# KiCad board ADHW.kicad_pcb (continued)
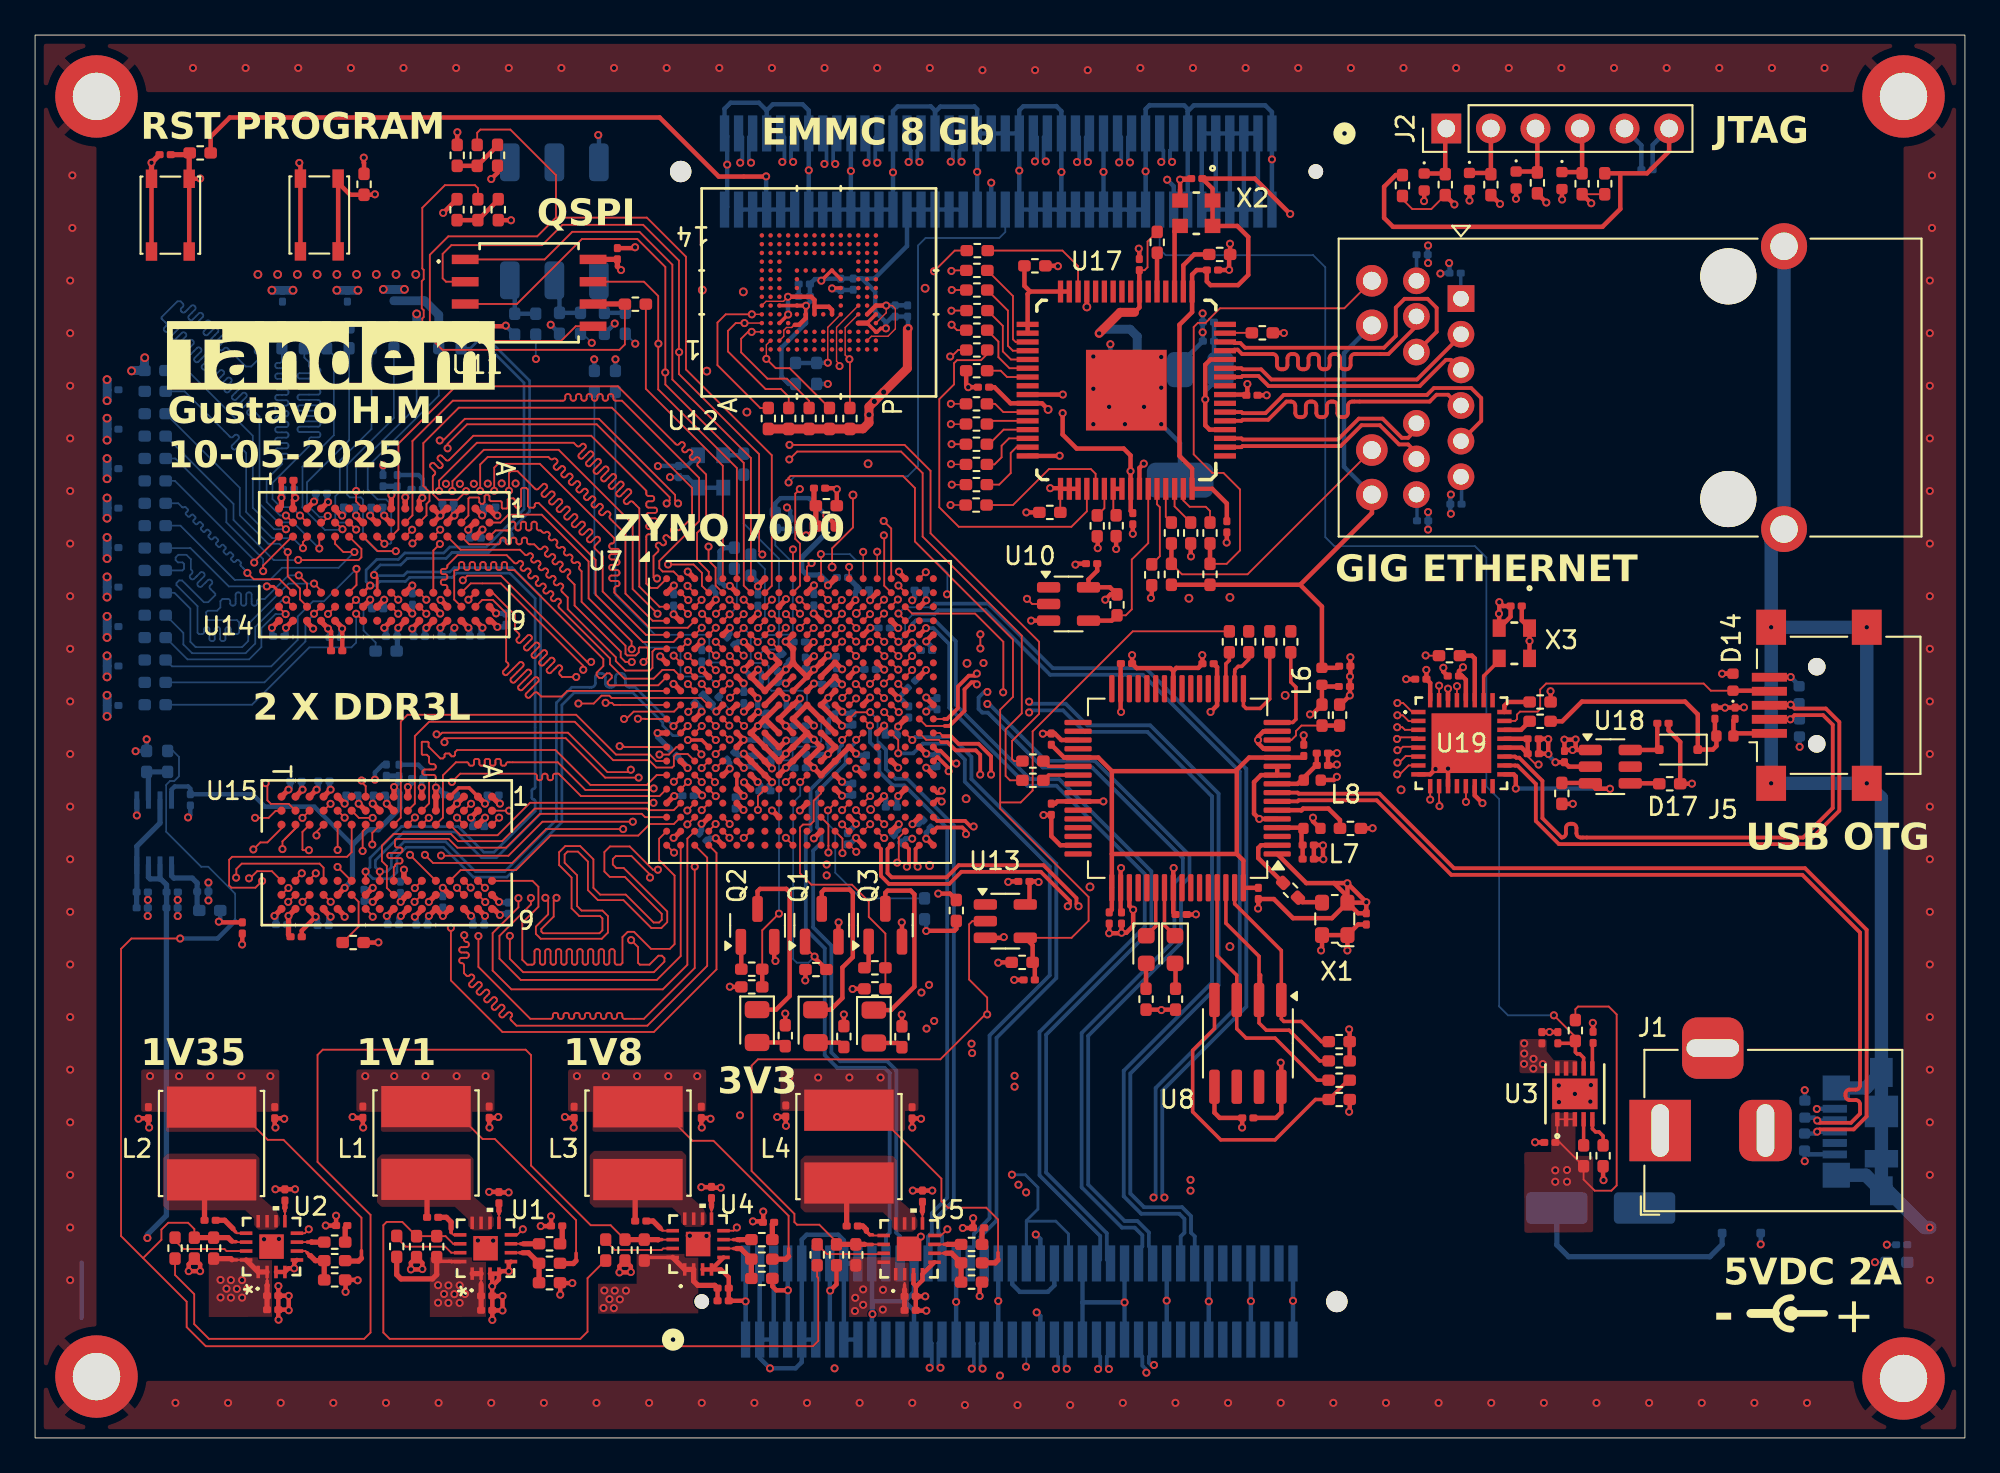
[diagram p0: board, top side]
## Routing (per net, layer and track width the routed paths; a pad name or vN(x,y) marks a point on that pad's centre or on a via; arc(x,y) is an arc through that point) (continued)
DDR_A8: length 103.7
  Top w0.1: v1(32.52,41.92) 32.88,41.92 33,41.8 33.35,41.8 ; U15.T8 14.44,31.36 v1(14.44,31.36)
  Top w0.102: 33.35,41.8 U7.K1 ; v1(14.28,46.98) 13.9,47.36 U14.T8
  In5.Cu w0.1: v1(32.52,41.92) 32.88,42.28 34.49,42.28 35.61,43.4 38.99,43.4 39.21,43.62 39.21,43.97 38.95,44.23 38.59,44.23 38.38,44.44 38.38,44.77 38.62,45.01 39.04,45.01 39.21,45.18 39.21,45.66 39.07,45.8 38.61,45.8 38.4,46.01 38.4,47.99 38.85,48.44 38.85,49.56 37.96,50.45 37.96,50.74 37.66,51.04 33.71,51.04 33.5,50.83 arc(33.42,50.8) 33.33,50.83 33.24,50.93 arc(33.15,50.96) 33.07,50.93 33.02,50.88 arc(32.99,50.8) 33.02,50.71 33.12,50.62 arc(33.15,50.53) 33.12,50.45 33.07,50.4 arc(32.99,50.37) 32.9,50.4 32.81,50.5 arc(32.72,50.53) 32.63,50.5 32.59,50.45 arc(32.56,50.37) 32.59,50.28 32.68,50.19 arc(32.72,50.1) 32.68,50.01 32.64,49.97 arc(32.56,49.94) 32.47,49.97 32.38,50.06 arc(32.29,50.1) 32.2,50.06 32.16,50.02 arc(32.12,49.93) 32.16,49.85 32.25,49.76 arc(32.29,49.67) 32.25,49.58 32.21,49.54 arc(32.12,49.5) 32.04,49.54 31.95,49.63 arc(31.86,49.67) 31.77,49.63 31.73,49.59 arc(31.69,49.5) 31.73,49.42 31.82,49.32 arc(31.86,49.24) 31.82,49.15 31.78,49.11 arc(31.69,49.07) 31.61,49.11 31.51,49.2 arc(31.43,49.24) 31.34,49.2 31.3,49.16 arc(31.26,49.07) 31.3,48.99 31.39,48.89 arc(31.43,48.81) 31.39,48.72 31.35,48.68 arc(31.26,48.64) 31.18,48.68 31.08,48.77 arc(31,48.81) 30.91,48.77 30.87,48.73 arc(30.83,48.64) 30.87,48.56 30.96,48.46 arc(31,48.38) 30.96,48.29 30.92,48.25 arc(30.83,48.21) 30.74,48.25 30.65,48.34 arc(30.57,48.38) 30.48,48.34 30.44,48.3 arc(30.4,48.21) 30.44,48.12 30.53,48.03 arc(30.56,47.95) 30.53,47.86 30.49,47.82 arc(30.4,47.78) 30.31,47.82 30.22,47.91 arc(30.13,47.94) 30.05,47.91 30.01,47.87 arc(29.97,47.78) 30.01,47.69 30.1,47.6 arc(30.13,47.51) 30.1,47.43 30.05,47.38 arc(29.97,47.35) 29.88,47.38 29.79,47.48 arc(29.7,47.51) 29.62,47.48 29.57,47.43 arc(29.54,47.35) 29.57,47.26 29.67,47.17 arc(29.7,47.08) 29.67,47 29.62,46.95 arc(29.54,46.92) 29.45,46.95 29.36,47.05 arc(29.27,47.08) 29.19,47.05 29.14,47 arc(29.11,46.92) 29.14,46.83 29.24,46.74 arc(29.27,46.65) 29.24,46.57 26.6,43.93 26.56,43.93 26.54,43.95 16.18,43.95 14.87,42.64 13.11,42.64 9.83,39.36 9.83,34.79 11.44,33.18 12.98,33.18 14.44,31.72 v1(14.44,31.36)
  In7.Cu w0.1: v1(14.44,31.36) 15.79,31.36 16.39,31.96 16.39,32.43 16.15,32.67 15.9,32.67 13.96,34.61 11.58,34.61 10.49,35.7 10.49,41.54 9.66,42.37 9.66,42.96 13.68,46.98 v1(14.28,46.98)
  Bottom w0.1: R114.2 8.68,44.4 12.2,44.4 12.9,45.1 12.9,46.18 13.7,46.98 v1(14.28,46.98)
DDR_A9: length 91.4
  Top w0.1: v1(38,43) 37.99,42.99 37.99,42.98 38.38,42.6 U7.J4
  Top w0.102: 14.85,34.77 14.1,34.02 v1(14.1,33.58) ; 14.85,34.77 U15.R3 ; 14.85,34.77 14.24,34.16 ; v1(13,49.43) 13,49.75 14.65,51.4 U14.R3
  In5.Cu w0.1: v1(14.1,33.58) 14.1,33.93 13.79,34.24 13.79,34.6 arc(13.75,34.68) 13.67,34.72 13.54,34.72 arc(13.45,34.75) 13.42,34.84 13.42,34.9 arc(13.45,34.99) 13.54,35.02 14.04,35.02 arc(14.13,35.06) 14.17,35.15 14.17,35.21 arc(14.13,35.29) 14.04,35.33 13.54,35.33 arc(13.45,35.36) 13.42,35.45 13.42,35.51 arc(13.45,35.6) 13.54,35.63 13.67,35.63 arc(13.75,35.67) 13.79,35.76 13.79,35.81 14.15,36.17 14.15,36.32 13.99,36.48 13.85,36.48 13.68,36.31 13.39,36.31 13.24,36.46 13.24,36.86 13.38,37 13.92,37 14.55,37.63 arc(14.57,37.69) 14.55,37.75 arc(14.52,37.81) 14.55,37.87 14.64,37.96 arc(14.7,37.99) 14.76,37.96 14.88,37.84 arc(14.94,37.82) 15,37.84 15.1,37.94 arc(15.12,38) 15.1,38.06 14.98,38.18 arc(14.95,38.24) 14.98,38.3 15.07,38.39 arc(15.13,38.42) 15.19,38.39 15.31,38.27 arc(15.37,38.25) 15.43,38.27 15.53,38.37 arc(15.55,38.43) 15.53,38.49 15.41,38.61 arc(15.38,38.67) 15.41,38.73 15.5,38.82 arc(15.56,38.85) 15.62,38.82 15.74,38.7 arc(15.8,38.68) 15.86,38.7 15.96,38.8 arc(15.98,38.86) 15.96,38.92 15.84,39.04 arc(15.81,39.1) 15.84,39.16 15.94,39.26 arc(16,39.28) 16.06,39.26 16.18,39.14 arc(16.24,39.11) 16.3,39.14 16.39,39.23 arc(16.42,39.29) 16.39,39.35 arc(16.37,39.41) 16.39,39.47 16.49,39.57 17.22,39.57 17.38,39.73 arc(17.45,39.76) 17.52,39.73 arc(17.59,39.71) 17.66,39.73 17.74,39.81 arc(17.77,39.88) 17.74,39.95 17.6,40.09 arc(17.57,40.16) 17.6,40.23 17.67,40.31 arc(17.74,40.34) 17.81,40.31 17.95,40.17 arc(18.02,40.14) 18.1,40.17 18.17,40.24 arc(18.2,40.31) 18.17,40.38 18.03,40.52 arc(18,40.59) 18.03,40.66 18.1,40.74 arc(18.17,40.77) 18.24,40.74 18.38,40.6 arc(18.46,40.57) 18.53,40.6 18.6,40.67 arc(18.63,40.74) 18.6,40.81 18.46,40.95 arc(18.43,41.02) 18.46,41.1 18.53,41.17 arc(18.6,41.2) 18.67,41.17 18.82,41.03 arc(18.89,41) 18.96,41.03 19.03,41.1 arc(19.06,41.17) 19.03,41.24 arc(19,41.31) 19.03,41.38 19.14,41.49 32.77,41.49 33.15,41.87 34.68,41.87 35.41,42.6 37.57,42.6 37.97,43 v1(38,43)
  In7.Cu w0.1: v1(14.1,33.58) 13.01,33.58 12.63,33.96 10.78,33.96 8.89,35.85 8.89,35.89 arc(8.85,35.98) 8.77,36.02 8.5,36.02 arc(8.42,36.05) 8.38,36.14 8.38,36.2 arc(8.42,36.29) 8.5,36.32 9.28,36.32 arc(9.36,36.36) 9.4,36.44 9.4,36.5 arc(9.36,36.59) 9.28,36.63 8.5,36.63 arc(8.42,36.66) 8.38,36.75 8.38,36.81 arc(8.42,36.89) 8.5,36.93 9.28,36.93 arc(9.36,36.97) 9.4,37.05 9.4,37.11 arc(9.36,37.2) 9.28,37.24 8.5,37.24 arc(8.42,37.27) 8.38,37.36 8.38,37.42 arc(8.42,37.5) 8.5,37.54 9.28,37.54 arc(9.36,37.58) 9.4,37.66 9.4,37.72 arc(9.36,37.81) 9.28,37.85 8.5,37.85 arc(8.42,37.88) 8.38,37.97 8.38,38.03 arc(8.42,38.11) 8.5,38.15 9.28,38.15 arc(9.36,38.19) 9.4,38.27 9.4,38.33 arc(9.36,38.42) 9.28,38.45 8.5,38.45 arc(8.42,38.49) 8.38,38.58 8.38,38.64 arc(8.42,38.72) 8.5,38.76 9.28,38.76 arc(9.36,38.8) 9.4,38.88 9.4,38.94 arc(9.36,39.03) 9.28,39.06 8.5,39.06 arc(8.42,39.1) 8.38,39.19 8.38,39.25 arc(8.42,39.33) 8.5,39.37 9.28,39.37 arc(9.36,39.4) 9.4,39.49 9.4,39.55 arc(9.36,39.64) 9.28,39.67 8.5,39.67 arc(8.42,39.71) 8.38,39.8 8.38,39.86 arc(8.42,39.94) 8.5,39.98 9.28,39.98 arc(9.36,40.01) 9.4,40.1 9.4,40.16 arc(9.36,40.25) 9.28,40.28 8.5,40.28 arc(8.42,40.32) 8.38,40.41 8.38,40.47 arc(8.42,40.55) 8.5,40.59 9.28,40.59 arc(9.36,40.62) 9.4,40.71 9.4,40.77 arc(9.36,40.86) 9.28,40.89 8.5,40.89 arc(8.42,40.93) 8.38,41.02 8.38,41.08 arc(8.42,41.16) 8.5,41.2 8.77,41.2 arc(8.85,41.23) 8.89,41.32 8.89,41.54 8.72,41.71 8.72,41.93 arc(8.68,42.01) 8.6,42.05 8.47,42.05 arc(8.38,42.08) 8.34,42.17 8.34,42.23 arc(8.38,42.32) 8.47,42.35 8.6,42.35 arc(8.68,42.39) 8.72,42.48 8.72,42.54 arc(8.68,42.62) 8.6,42.66 8.47,42.66 arc(8.38,42.69) 8.34,42.78 8.34,42.84 arc(8.38,42.93) 8.47,42.96 8.6,42.96 arc(8.68,43) 8.72,43.08 8.72,43.15 arc(8.68,43.23) 8.6,43.27 8.47,43.27 arc(8.38,43.3) 8.34,43.39 8.34,43.45 arc(8.38,43.54) 8.47,43.57 8.6,43.57 arc(8.68,43.61) 8.72,43.69 8.72,44.32 12.78,48.38 12.78,49 13,49.22 v1(13,49.43)
  Bottom w0.1: v1(13,49.43) 13,50.12 10.9,52.22 10.9,52.95 8,55.85 R115.2
DDR_A10: length 94.5
  Top w0.1: v1(38.8,45.4) U7.F5
  Top w0.102: v1(17.24,32.56) 18.03,31.77 U15.L7 ; U14.L7 17.9,48.22 18.32,48.64 v1(18.32,49.56)
  In5.Cu w0.1: v1(17.24,32.56) 16.34,31.66 14.94,31.66 13.11,33.49 13.11,33.71 11.32,35.5 11.32,36.52 arc(11.28,36.61) 11.2,36.64 11.07,36.64 arc(10.98,36.68) 10.94,36.77 10.94,36.83 arc(10.98,36.91) 11.07,36.95 11.57,36.95 arc(11.66,36.99) 11.69,37.07 11.69,37.13 arc(11.66,37.22) 11.57,37.25 11.07,37.25 arc(10.98,37.29) 10.94,37.38 10.94,37.44 arc(10.98,37.52) 11.07,37.56 11.57,37.56 arc(11.66,37.6) 11.69,37.68 11.69,37.74 arc(11.66,37.83) 11.57,37.86 11.07,37.86 arc(10.98,37.9) 10.94,37.99 10.94,38.05 arc(10.98,38.13) 11.07,38.17 11.57,38.17 arc(11.66,38.2) 11.69,38.29 11.69,38.35 arc(11.66,38.44) 11.57,38.47 11.44,38.47 arc(11.36,38.51) 11.32,38.6 11.32,38.95 11.52,39.15 arc(11.56,39.24) 11.52,39.33 11.43,39.42 arc(11.39,39.5) 11.43,39.59 11.47,39.63 arc(11.56,39.67) 11.65,39.63 12,39.28 arc(12.09,39.24) 12.18,39.28 12.22,39.32 arc(12.26,39.41) 12.22,39.49 11.86,39.85 arc(11.83,39.94) 11.86,40.02 11.9,40.07 arc(11.99,40.1) 12.08,40.07 12.43,39.71 arc(12.52,39.67) 12.61,39.71 12.65,39.75 arc(12.69,39.84) 12.65,39.92 12.29,40.28 arc(12.26,40.37) 12.29,40.45 12.34,40.5 arc(12.42,40.53) 12.51,40.5 12.87,40.14 arc(12.95,40.1) 13.04,40.14 13.08,40.18 arc(13.12,40.27) 13.08,40.35 12.72,40.71 arc(12.69,40.8) 12.72,40.88 12.77,40.93 arc(12.85,40.96) 12.94,40.93 13.3,40.57 arc(13.38,40.53) 13.47,40.57 13.51,40.61 arc(13.55,40.7) 13.51,40.79 13.42,40.88 arc(13.38,40.96) 13.42,41.05 14.07,41.7 15.36,41.7 16.79,43.13 28.26,43.13 35.38,50.25 36.72,50.25 36.81,50.16 36.81,46.8 37.82,45.79 38.2,45.79 38.59,45.4 v1(38.8,45.4)
  In7.Cu w0.1: v1(18.32,49.56) 18.32,48.6 18.68,48.24 18.68,46.86 20.65,44.89 20.65,42.15 15.66,37.16 15.66,36.67 16.04,36.29 16.04,35.59 16.81,34.82 16.81,33.34 17.24,32.91 v1(17.24,32.56)
  Bottom w0.1: R116.2 7.81,44 13.46,44 14.97,45.51 14.97,46.84 15.84,47.71 16.46,47.71 18.31,49.56 v1(18.32,49.56)
DDR_A11: length 92.9
  Top w0.1: U7.G4 38.4,44.18 v1(38.8,43.78)
  Top w0.102: U14.R7 13.93,48.97 12.46,48.97 v1(12.1,49.33) ; v1(15.2,32.2) 14.85,31.85 U15.R7
  In5.Cu w0.1: v1(15.2,32.2) 14.88,32.2 13.48,33.6 13.48,33.82 12.98,34.32 12.98,36.18 12.54,36.62 12.54,37.71 12.88,38.05 arc(12.97,38.09) 13.05,38.05 13.2,37.91 arc(13.29,37.87) 13.37,37.91 13.41,37.95 arc(13.45,38.03) 13.41,38.12 12.95,38.58 arc(12.92,38.67) 12.95,38.76 12.99,38.8 arc(13.08,38.84) 13.17,38.8 13.63,38.34 arc(13.72,38.3) 13.8,38.34 13.85,38.38 arc(13.88,38.47) 13.85,38.55 13.38,39.02 arc(13.35,39.1) 13.38,39.19 13.42,39.23 arc(13.51,39.27) 13.6,39.23 14.06,38.77 arc(14.15,38.73) 14.23,38.77 14.28,38.81 arc(14.31,38.9) 14.28,38.98 13.81,39.45 arc(13.78,39.53) 13.81,39.62 13.86,39.66 arc(13.94,39.7) 14.03,39.66 14.49,39.2 arc(14.58,39.16) 14.66,39.2 14.71,39.24 arc(14.74,39.33) 14.71,39.41 14.24,39.88 arc(14.21,39.96) 14.24,40.05 14.29,40.09 arc(14.37,40.13) 14.46,40.09 14.92,39.63 arc(15.01,39.59) 15.1,39.63 15.14,39.67 arc(15.17,39.76) 15.14,39.84 14.67,40.31 arc(14.64,40.4) 14.67,40.48 14.72,40.52 arc(14.8,40.56) 14.89,40.52 15.04,40.38 arc(15.12,40.34) 15.21,40.38 15.42,40.59 16.29,40.59 16.58,40.88 arc(16.67,40.92) 16.75,40.88 16.82,40.81 arc(16.91,40.78) 16.99,40.81 17.04,40.86 arc(17.07,40.94) 17.04,41.03 16.73,41.34 arc(16.69,41.42) 16.73,41.51 16.77,41.55 arc(16.86,41.59) 16.94,41.55 17.25,41.24 arc(17.34,41.21) 17.42,41.24 17.47,41.29 arc(17.5,41.37) 17.47,41.46 17.16,41.77 arc(17.12,41.85) 17.16,41.94 17.2,41.98 arc(17.29,42.02) 17.38,41.98 17.68,41.68 arc(17.77,41.64) 17.86,41.68 17.9,41.72 arc(17.93,41.8) 17.9,41.89 17.83,41.96 arc(17.8,42.04) 17.83,42.13 18.02,42.32 30.62,42.32 30.84,42.54 arc(30.92,42.57) 31.01,42.54 arc(31.09,42.5) 31.18,42.54 31.22,42.58 arc(31.26,42.67) 31.22,42.75 31.05,42.92 arc(31.02,43.01) 31.05,43.09 31.1,43.14 arc(31.18,43.17) 31.27,43.14 31.44,42.97 arc(31.52,42.93) 31.61,42.97 31.65,43.02 arc(31.69,43.1) 31.65,43.19 31.49,43.35 arc(31.45,43.44) 31.49,43.52 31.53,43.57 arc(31.62,43.61) 31.7,43.57 31.87,43.4 arc(31.96,43.37) 32.04,43.4 32.09,43.45 arc(32.12,43.53) 32.09,43.62 31.92,43.79 arc(31.88,43.87) 31.92,43.96 31.96,44 arc(32.05,44.04) 32.13,44 32.3,43.83 arc(32.39,43.8) 32.47,43.83 32.52,43.88 arc(32.55,43.96) 32.52,44.05 32.35,44.22 arc(32.31,44.3) 32.35,44.39 32.39,44.43 arc(32.48,44.47) 32.56,44.43 32.73,44.26 arc(32.82,44.23) 32.9,44.26 32.95,44.31 arc(32.98,44.39) 32.95,44.48 32.78,44.65 arc(32.74,44.73) 32.78,44.82 32.82,44.86 arc(32.91,44.9) 32.99,44.86 33.16,44.69 arc(33.25,44.66) 33.33,44.69 33.38,44.74 arc(33.41,44.82) 33.38,44.91 arc(33.34,44.99) 33.38,45.08 34.86,46.56 36.64,46.56 36.78,46.42 36.78,45.1 36.88,45 37.6,45 38.03,44.57 38.03,44.33 38.58,43.78 v1(38.8,43.78)
  In7.Cu w0.1: v1(15.2,32.2) 14.24,33.16 8.41,33.16 7.49,34.08 7.49,44.58 12.1,49.19 v1(12.1,49.33)
  Bottom w0.1: R117.2 8.16,53.3 8.38,53.08 arc(8.43,53.06) 8.48,53.08 arc(8.53,53.1) 8.58,53.08 8.7,52.96 arc(8.72,52.91) 8.7,52.86 8.6,52.76 arc(8.58,52.71) 8.6,52.66 8.72,52.55 arc(8.77,52.53) 8.81,52.55 8.91,52.65 arc(8.96,52.67) 9.01,52.65 9.13,52.53 arc(9.15,52.48) 9.13,52.43 9.03,52.33 arc(9.01,52.28) 9.03,52.23 9.15,52.12 arc(9.2,52.09) 9.25,52.12 9.34,52.21 arc(9.39,52.23) 9.44,52.21 9.56,52.1 arc(9.58,52.05) 9.56,52 9.46,51.9 arc(9.44,51.85) 9.46,51.8 9.58,51.68 arc(9.63,51.66) 9.68,51.68 9.78,51.78 arc(9.83,51.8) 9.87,51.78 9.99,51.67 arc(10.01,51.62) 9.99,51.57 9.89,51.47 arc(9.87,51.42) 9.89,51.37 10.01,51.25 arc(10.06,51.23) 10.11,51.25 10.21,51.35 arc(10.26,51.37) 10.31,51.35 10.42,51.24 arc(10.44,51.19) 10.42,51.14 10.32,51.04 arc(10.3,50.99) 10.32,50.94 10.44,50.82 arc(10.49,50.8) 10.54,50.82 10.64,50.92 arc(10.69,50.94) 10.74,50.92 10.85,50.8 arc(10.87,50.75) 10.85,50.71 10.75,50.61 arc(10.73,50.56) 10.75,50.51 10.87,50.39 arc(10.92,50.37) 10.97,50.39 11.07,50.49 arc(11.12,50.51) 11.17,50.49 11.28,50.37 arc(11.31,50.32) 11.28,50.27 11.19,50.18 arc(11.17,50.13) 11.19,50.08 11.3,49.96 arc(11.35,49.94) 11.4,49.96 11.5,50.06 arc(11.55,50.08) 11.6,50.06 11.72,49.94 arc(11.74,49.89) 11.72,49.84 arc(11.7,49.79) 11.72,49.74 12.1,49.36 v1(12.1,49.33)
DDR_A12: length 104.2
  Top w0.1: v1(38.8,46.2) U7.E4
  Top w0.102: v1(15.9,48.72) 16.3,48.32 U14.N7 ; v1(11.46,31.95) 11.47,31.96 11.47,32.44 11.78,32.75 16.21,32.75 16.45,32.51 U15.N7
  In5.Cu w0.1: v1(38.8,46.2) 38.8,46.23 39.19,46.62 39.19,51.49 38.82,51.86 37.11,51.86 37.01,51.76 arc(36.97,51.74) 36.95,51.7 arc(36.93,51.66) 36.89,51.64 36.71,51.64 arc(36.66,51.66) 36.65,51.7 36.65,51.82 arc(36.63,51.86) 36.59,51.88 36.4,51.88 arc(36.36,51.86) 36.34,51.82 36.34,51.7 arc(36.32,51.66) 36.28,51.64 36.1,51.64 arc(36.05,51.66) 36.04,51.7 36.04,51.82 arc(36.02,51.86) 35.98,51.88 35.79,51.88 arc(35.75,51.86) 35.73,51.82 35.73,51.7 arc(35.71,51.66) 35.67,51.64 35.49,51.64 arc(35.44,51.66) 35.43,51.7 35.43,51.82 arc(35.41,51.86) 35.37,51.88 35.18,51.88 arc(35.14,51.86) 35.12,51.82 35.12,51.7 arc(35.1,51.66) 35.06,51.64 34.88,51.64 arc(34.83,51.66) 34.82,51.7 34.82,51.82 arc(34.8,51.86) 34.76,51.88 34.57,51.88 arc(34.53,51.86) 34.51,51.82 34.51,51.7 arc(34.49,51.66) 34.45,51.64 34.27,51.64 arc(34.22,51.66) 34.21,51.7 arc(34.19,51.74) 34.15,51.76 33.33,51.76 25.91,44.34 15.9,44.34 14.67,43.11 12.33,43.11 9.22,40 9.22,34.87 11.34,32.75 11.34,32.73 11.47,32.6 11.47,31.96 v1(11.46,31.95)
  In7.Cu w0.1: v1(11.46,31.95) 11.1,31.95 10.97,32.08 6.59,32.08 6.18,32.49 6.18,35.72 5.88,36.02 5.88,38.64 6.13,38.89 6.13,39.4 5.82,39.7 5.82,45.11 11.9,51.19 12.62,51.19 13.49,50.32 13.5,50.32 14.18,49.64 15.61,49.64 15.9,49.35 v1(15.9,48.72)
  Bottom w0.1: v1(15.9,48.72) 14.45,48.72 12.15,46.42 12.15,45.45 11.8,45.1 9.15,45.1 8.85,45.4 8.85,47.29 7.95,48.19 R118.2
DDR_A13: length 93.2
  Top w0.102: U15.T3 14.05,34.77 13.24,33.96 12.84,33.96 v1(12.44,33.56) ; v1(12.49,49.92) 12.49,49.99 U14.T3 ; v1(38.02,46.99) 38.4,46.61 U7.D4
  In5.Cu w0.1: v1(12.44,33.56) 12.04,33.96 11.57,33.96 10.45,35.08 10.45,39.15 13.51,42.21 15.15,42.21 16.47,43.53 27.44,43.53 28.5,44.59 arc(28.58,44.62) 28.67,44.59 28.76,44.5 arc(28.85,44.46) 28.94,44.5 28.98,44.54 arc(29.02,44.63) 28.98,44.71 28.62,45.07 arc(28.59,45.16) 28.62,45.24 28.66,45.28 arc(28.75,45.32) 28.84,45.28 29.2,44.93 arc(29.28,44.89) 29.37,44.93 29.41,44.97 arc(29.45,45.06) 29.41,45.14 29.05,45.5 arc(29.02,45.59) 29.05,45.67 29.1,45.72 arc(29.18,45.75) 29.27,45.72 29.63,45.36 arc(29.71,45.32) 29.8,45.36 29.84,45.4 arc(29.88,45.49) 29.84,45.57 29.48,45.93 arc(29.45,46.02) 29.48,46.1 29.53,46.15 arc(29.61,46.18) 29.7,46.15 30.06,45.79 arc(30.14,45.75) 30.23,45.79 30.27,45.83 arc(30.31,45.92) 30.27,46 29.91,46.36 arc(29.88,46.45) 29.91,46.54 29.96,46.58 arc(30.04,46.61) 30.13,46.58 30.49,46.22 arc(30.57,46.18) 30.66,46.22 30.7,46.26 arc(30.74,46.35) 30.7,46.44 30.35,46.79 arc(30.31,46.88) 30.35,46.97 30.39,47.01 arc(30.48,47.04) 30.56,47.01 30.92,46.65 arc(31.01,46.62) 31.09,46.65 31.13,46.69 arc(31.17,46.78) 31.13,46.87 30.78,47.22 arc(30.74,47.31) 30.78,47.4 30.82,47.44 arc(30.91,47.48) 30.99,47.44 31.35,47.08 arc(31.44,47.05) 31.52,47.08 31.57,47.13 arc(31.6,47.21) 31.57,47.3 31.21,47.66 arc(31.17,47.74) 31.21,47.83 31.25,47.87 arc(31.34,47.91) 31.42,47.87 31.78,47.51 arc(31.87,47.48) 31.95,47.51 32,47.56 arc(32.03,47.64) 32,47.73 31.64,48.09 arc(31.6,48.17) 31.64,48.26 31.68,48.3 arc(31.77,48.34) 31.85,48.3 32.21,47.94 arc(32.3,47.91) 32.38,47.94 32.43,47.99 arc(32.46,48.07) 32.43,48.16 32.07,48.52 arc(32.03,48.6) 32.07,48.69 32.11,48.73 arc(32.2,48.77) 32.29,48.73 32.64,48.38 arc(32.73,48.34) 32.82,48.38 32.86,48.42 arc(32.89,48.5) 32.86,48.59 32.5,48.95 arc(32.47,49.04) 32.5,49.12 32.54,49.16 arc(32.63,49.2) 32.72,49.16 33.07,48.81 arc(33.16,48.77) 33.25,48.81 33.29,48.85 arc(33.33,48.94) 33.29,49.02 32.93,49.38 arc(32.9,49.47) 32.93,49.55 32.98,49.6 arc(33.06,49.63) 33.15,49.6 33.51,49.24 arc(33.59,49.2) 33.68,49.24 33.72,49.28 arc(33.76,49.37) 33.72,49.45 33.36,49.81 arc(33.33,49.9) 33.36,49.98 33.41,50.03 arc(33.49,50.06) 33.58,50.03 33.94,49.67 arc(34.02,49.63) 34.11,49.67 34.15,49.71 arc(34.19,49.8) 34.15,49.88 33.79,50.24 arc(33.76,50.33) 33.79,50.41 33.84,50.46 arc(33.92,50.49) 34.01,50.46 34.1,50.36 arc(34.19,50.33) 34.27,50.36 34.5,50.59 37.56,50.59 37.62,50.53 37.62,47.39 v1(38.02,46.99)
  In7.Cu w0.1: v1(12.44,33.56) 8.97,33.56 7.89,34.64 7.89,44.2 12.5,48.81 12.5,49.92 v1(12.49,49.92)
  Bottom w0.1: R119.2 7.97,54.58 12.49,50.06 v1(12.49,49.92)
DDR_A14: length 102.3
  Top w0.102: 13.77,48.33 U14.T7 ; v1(12.19,31.91) 12.24,31.96 12.3,31.96 12.66,32.32 13.5,32.32 U15.T7 ; v1(38.82,44.62) 38.78,44.62 U7.F4
  Top w0.167: v1(13.21,48.56) 13.59,48.56 13.9,48.25 U14.T7
  In5.Cu w0.1: v1(38.82,44.62) 39.04,44.62 39.4,44.98 39.78,44.98 40,45.2 40,48.35 40.13,48.48 arc(40.17,48.57) 40.25,48.6 40.38,48.6 arc(40.47,48.64) 40.5,48.72 40.5,48.79 arc(40.47,48.87) 40.38,48.91 39.88,48.91 arc(39.79,48.94) 39.75,49.03 39.75,49.09 arc(39.79,49.18) 39.88,49.21 40.38,49.21 arc(40.47,49.25) 40.5,49.33 40.5,49.4 arc(40.47,49.48) 40.38,49.52 39.88,49.52 arc(39.79,49.55) 39.75,49.64 39.75,49.7 arc(39.79,49.79) 39.88,49.82 40.38,49.82 arc(40.47,49.86) 40.5,49.94 40.5,50 arc(40.47,50.09) 40.38,50.13 39.88,50.13 arc(39.79,50.16) 39.75,50.25 39.75,50.31 arc(39.79,50.4) 39.88,50.43 40.38,50.43 arc(40.47,50.47) 40.5,50.55 40.5,50.61 arc(40.47,50.7) 40.38,50.74 39.88,50.74 arc(39.79,50.77) 39.75,50.86 39.75,50.92 arc(39.79,51.01) 39.88,51.04 40.38,51.04 arc(40.47,51.08) 40.5,51.16 40.5,51.22 arc(40.47,51.31) 40.38,51.35 40.25,51.35 arc(40.17,51.38) 40.13,51.47 40.13,51.66 39.14,52.65 38.64,52.65 arc(38.56,52.61) 38.52,52.53 38.52,52.4 arc(38.48,52.31) 38.4,52.27 38.34,52.27 arc(38.25,52.31) 38.21,52.4 38.21,52.9 arc(38.18,52.99) 38.09,53.02 38.03,53.02 arc(37.95,52.99) 37.91,52.9 37.91,52.4 arc(37.87,52.31) 37.79,52.27 37.73,52.27 arc(37.64,52.31) 37.61,52.4 37.61,52.53 arc(37.57,52.61) 37.48,52.65 33.56,52.65 25.65,44.74 15.63,44.74 14.49,43.6 12.19,43.6 8.26,39.67 8.26,34.32 11.13,31.45 12.07,31.45 12.14,31.52 12.14,31.86 v1(12.19,31.91)
  In7.Cu w0.1: v1(13.21,48.56) 13.6,48.95 13.6,49.39 12.61,50.38 12.37,50.38 11.65,49.66 11.65,49.5 7.1,44.95 7.1,33.55 7.84,32.81 11.91,32.81 12.14,32.58 12.14,31.96 v1(12.19,31.91)
  Bottom w0.1: v1(13.21,48.56) 11.04,48.56 8.85,50.75 R120.2
DDR_BA0: length 90.8
  Top w0.1: 39.59,40.62 39.58,40.62 U7.L5
  Top w0.102: U14.M2 17.14,52.2 v1(17.52,51.82) ; v1(17.64,35.37) U15.M2
  In5.Cu w0.1: v1(39.57,40.62) 39.17,41.02 38.63,41.02 38.4,40.79 38.4,40.4 38.24,40.24 37.75,40.24 37.6,40.39 37.6,40.87 37.47,41 35.58,41 32.5,37.92 32.5,37.78 arc(32.46,37.69) 32.5,37.61 32.79,37.31 arc(32.83,37.23) 32.79,37.14 32.75,37.1 arc(32.66,37.06) 32.58,37.1 32.28,37.39 arc(32.2,37.43) 32.11,37.39 32.07,37.35 arc(32.03,37.26) 32.07,37.18 32.36,36.88 arc(32.4,36.8) 32.36,36.71 32.32,36.67 arc(32.23,36.63) 32.15,36.67 31.85,36.96 arc(31.77,37) 31.68,36.96 31.64,36.92 arc(31.6,36.83) 31.64,36.75 31.93,36.45 arc(31.97,36.36) 31.93,36.28 31.89,36.24 arc(31.8,36.2) 31.72,36.24 31.42,36.53 arc(31.34,36.57) 31.25,36.53 31.21,36.49 arc(31.17,36.4) 31.21,36.31 31.5,36.02 arc(31.54,35.93) 31.5,35.85 31.46,35.8 arc(31.37,35.77) 31.29,35.8 30.99,36.1 arc(30.91,36.13) 30.82,36.1 30.78,36.06 arc(30.74,35.97) 30.78,35.88 31.07,35.59 arc(31.11,35.5) 31.07,35.42 31.03,35.37 arc(30.94,35.34) 30.85,35.37 30.56,35.67 arc(30.47,35.7) 30.39,35.67 30.34,35.62 arc(30.31,35.54) 30.34,35.45 30.64,35.16 arc(30.67,35.07) 30.64,34.99 30.6,34.94 arc(30.51,34.91) 30.42,34.94 30.13,35.24 arc(30.04,35.27) 29.96,35.24 29.91,35.19 arc(29.88,35.11) 29.91,35.02 30.21,34.73 arc(30.24,34.64) 30.21,34.55 30.16,34.51 arc(30.08,34.48) 29.99,34.51 29.7,34.81 arc(29.61,34.84) 29.53,34.81 29.35,34.63 29.13,34.63 arc(29.06,34.6) 29.03,34.53 arc(29.01,34.47) 28.94,34.44 28.82,34.44 arc(28.76,34.47) 28.73,34.53 28.73,34.72 arc(28.7,34.79) 28.63,34.82 28.52,34.82 arc(28.45,34.79) 28.42,34.72 28.42,34.53 arc(28.4,34.47) 28.33,34.44 28.22,34.44 arc(28.15,34.47) 28.12,34.53 28.12,34.72 arc(28.09,34.79) 28.03,34.82 27.91,34.82 arc(27.84,34.79) 27.82,34.72 27.82,34.53 arc(27.79,34.47) 27.72,34.44 27.61,34.44 arc(27.54,34.47) 27.51,34.53 27.51,34.72 arc(27.48,34.79) 27.42,34.82 27.3,34.82 arc(27.23,34.79) 27.21,34.72 27.21,34.53 arc(27.18,34.47) 27.11,34.44 27,34.44 arc(26.93,34.47) 26.9,34.53 26.9,34.72 arc(26.87,34.79) 26.81,34.82 26.69,34.82 arc(26.62,34.79) 26.6,34.72 26.6,34.53 arc(26.57,34.47) 26.5,34.44 26.39,34.44 arc(26.32,34.47) 26.29,34.53 26.29,34.72 arc(26.26,34.79) 26.2,34.82 26.08,34.82 arc(26.01,34.79) 25.99,34.72 25.99,34.53 arc(25.96,34.47) 25.89,34.44 25.78,34.44 arc(25.71,34.47) 25.68,34.53 25.68,34.72 arc(25.65,34.79) 25.59,34.82 25.47,34.82 arc(25.4,34.79) 25.38,34.72 25.38,34.53 arc(25.35,34.47) 25.28,34.44 25.17,34.44 arc(25.1,34.47) 25.07,34.53 25.07,34.72 arc(25.04,34.79) 24.98,34.82 24.86,34.82 arc(24.8,34.79) 24.77,34.72 24.77,34.53 arc(24.74,34.47) 24.67,34.44 24.56,34.44 arc(24.49,34.47) 24.46,34.53 24.46,34.72 arc(24.43,34.79) 24.37,34.82 24.25,34.82 arc(24.19,34.79) 24.16,34.72 24.16,34.53 arc(24.13,34.47) 24.06,34.44 23.95,34.44 arc(23.88,34.47) 23.85,34.53 23.85,34.72 arc(23.83,34.79) 23.76,34.82 23.64,34.82 arc(23.58,34.79) 23.55,34.72 23.55,34.53 arc(23.52,34.47) 23.45,34.44 23.34,34.44 arc(23.27,34.47) 23.24,34.53 23.24,34.72 arc(23.22,34.79) 23.15,34.82 23.03,34.82 arc(22.97,34.79) 22.94,34.72 22.94,34.53 arc(22.91,34.47) 22.84,34.44 22.73,34.44 arc(22.66,34.47) 22.63,34.53 22.63,34.72 arc(22.61,34.79) 22.54,34.82 22.42,34.82 arc(22.36,34.79) 22.33,34.72 22.33,34.53 arc(22.3,34.47) 22.23,34.44 22.12,34.44 arc(22.05,34.47) 22.02,34.53 22.02,34.72 arc(22,34.79) 21.93,34.82 21.81,34.82 arc(21.75,34.79) 21.72,34.72 21.72,34.53 arc(21.69,34.47) 21.62,34.44 21.51,34.44 arc(21.44,34.47) 21.41,34.53 arc(21.39,34.6) 21.32,34.63 20.82,34.63 20.5,34.95 18.07,34.95 v1(17.64,35.37)
  In7.Cu w0.1: v1(17.64,35.37) 17.65,35.37 18.04,35.76 19.64,35.76 21.02,34.38 26.5,34.38 27.75,35.63 27.75,46.33 26.69,47.39 22.79,47.39 22.68,47.5 22.68,47.99 21.65,49.02 21.07,49.02 18.69,51.4 17.94,51.4 v1(17.52,51.82)
  Bottom w0.1: v1(17.52,51.82) 17.48,51.78 16.52,51.78 15.24,53.06 15.24,55.39 17.03,57.18 17.03,61.73 R103.2
DDR_BA1: length 88.9
  Top w0.1: U15.N8 16.84,30.57 v1(16.85,30.57)
  Top w0.102: v1(38.75,37.39) 38.75,37.42 38.4,37.77 U7.R4 ; U14.N8 v1(15.9,47)
  In5.Cu w0.1: v1(16.85,30.57) 17.24,30.18 17.24,28.48 18.81,26.91 25.94,26.91 arc(26.03,26.95) 26.06,27.03 26.06,27.16 arc(26.1,27.25) 26.18,27.28 26.24,27.28 arc(26.33,27.25) 26.37,27.16 26.37,26.66 arc(26.4,26.57) 26.49,26.53 26.55,26.53 arc(26.64,26.57) 26.67,26.66 26.67,27.16 arc(26.71,27.25) 26.79,27.28 26.85,27.28 arc(26.94,27.25) 26.98,27.16 26.98,26.66 arc(27.01,26.57) 27.1,26.53 27.16,26.53 arc(27.24,26.57) 27.28,26.66 27.28,27.16 arc(27.32,27.25) 27.4,27.28 27.46,27.28 arc(27.55,27.25) 27.59,27.16 27.59,26.66 arc(27.62,26.57) 27.71,26.53 27.77,26.53 arc(27.85,26.57) 27.89,26.66 27.89,27.16 arc(27.93,27.25) 28.01,27.28 28.07,27.28 arc(28.16,27.25) 28.19,27.16 28.19,26.66 arc(28.23,26.57) 28.32,26.53 28.38,26.53 arc(28.46,26.57) 28.5,26.66 28.5,27.16 arc(28.54,27.25) 28.62,27.28 28.68,27.28 arc(28.77,27.25) 28.8,27.16 28.8,26.66 arc(28.84,26.57) 28.93,26.53 28.99,26.53 arc(29.07,26.57) 29.11,26.66 29.11,27.16 arc(29.14,27.25) 29.23,27.28 29.29,27.28 arc(29.38,27.25) 29.41,27.16 29.41,26.66 arc(29.45,26.57) 29.54,26.53 29.6,26.53 arc(29.68,26.57) 29.72,26.66 29.72,27.16 arc(29.75,27.25) 29.84,27.28 29.9,27.28 arc(29.99,27.25) 30.02,27.16 30.02,26.66 arc(30.06,26.57) 30.15,26.53 30.21,26.53 arc(30.29,26.57) 30.33,26.66 30.33,27.16 arc(30.36,27.25) 30.45,27.28 30.51,27.28 arc(30.6,27.25) 30.63,27.16 30.63,27.03 arc(30.67,26.95) 30.76,26.91 31.11,26.91 31.39,27.19 arc(31.42,27.27) 31.39,27.36 31.29,27.45 arc(31.26,27.54) 31.29,27.62 31.34,27.67 arc(31.42,27.7) 31.51,27.67 31.87,27.31 arc(31.95,27.27) 32.04,27.31 32.08,27.35 arc(32.12,27.44) 32.08,27.52 31.72,27.88 arc(31.69,27.97) 31.72,28.05 31.77,28.1 arc(31.85,28.13) 31.94,28.1 32.3,27.74 arc(32.38,27.7) 32.47,27.74 32.51,27.78 arc(32.55,27.87) 32.51,27.96 32.16,28.31 arc(32.12,28.4) 32.16,28.49 32.2,28.53 arc(32.28,28.56) 32.37,28.53 32.73,28.17 arc(32.81,28.14) 32.9,28.17 32.94,28.21 arc(32.98,28.3) 32.94,28.39 32.59,28.74 arc(32.55,28.83) 32.59,28.92 32.63,28.96 arc(32.72,29) 32.8,28.96 33.16,28.6 arc(33.25,28.57) 33.33,28.6 33.38,28.64 arc(33.41,28.73) 33.38,28.82 33.02,29.18 arc(32.98,29.26) 33.02,29.35 33.06,29.39 arc(33.15,29.43) 33.23,29.39 33.59,29.03 arc(33.68,29) 33.76,29.03 33.81,29.08 arc(33.84,29.16) 33.81,29.25 33.45,29.61 arc(33.41,29.69) 33.45,29.78 33.49,29.82 arc(33.58,29.86) 33.66,29.82 34.02,29.46 arc(34.11,29.43) 34.19,29.46 34.24,29.51 arc(34.27,29.59) 34.24,29.68 33.88,30.04 arc(33.84,30.12) 33.88,30.21 33.92,30.25 arc(34.01,30.29) 34.1,30.25 34.45,29.9 arc(34.54,29.86) 34.63,29.9 34.67,29.94 arc(34.7,30.02) 34.67,30.11 34.31,30.47 arc(34.27,30.55) 34.31,30.64 34.35,30.68 arc(34.44,30.72) 34.53,30.68 34.88,30.33 arc(34.97,30.29) 35.06,30.33 35.1,30.37 arc(35.14,30.46) 35.1,30.54 34.74,30.9 arc(34.71,30.99) 34.74,31.07 34.78,31.12 arc(34.87,31.15) 34.96,31.12 35.32,30.76 arc(35.4,30.72) 35.49,30.76 35.53,30.8 arc(35.57,30.89) 35.53,30.97 35.17,31.33 arc(35.14,31.42) 35.17,31.5 35.22,31.55 arc(35.3,31.58) 35.39,31.55 35.75,31.19 arc(35.83,31.15) 35.92,31.19 35.96,31.23 arc(36,31.32) 35.96,31.4 35.6,31.76 arc(35.57,31.85) 35.6,31.93 35.65,31.98 arc(35.73,32.01) 35.82,31.98 36.18,31.62 arc(36.26,31.58) 36.35,31.62 36.39,31.66 arc(36.43,31.75) 36.39,31.83 36.03,32.19 arc(36,32.28) 36.03,32.37 36.08,32.41 arc(36.16,32.44) 36.25,32.41 36.61,32.05 arc(36.69,32.01) 36.78,32.05 36.82,32.09 arc(36.86,32.18) 36.82,32.27 36.47,32.62 arc(36.43,32.71) 36.47,32.8 36.51,32.84 arc(36.6,32.87) 36.68,32.84 36.77,32.75 arc(36.86,32.71) 36.95,32.75 37.32,33.12 37.32,33.52 38.38,34.58 38.38,37.02 v1(38.75,37.39)